# KiCad board ETH1CLCR2.kicad_pcb (continued)
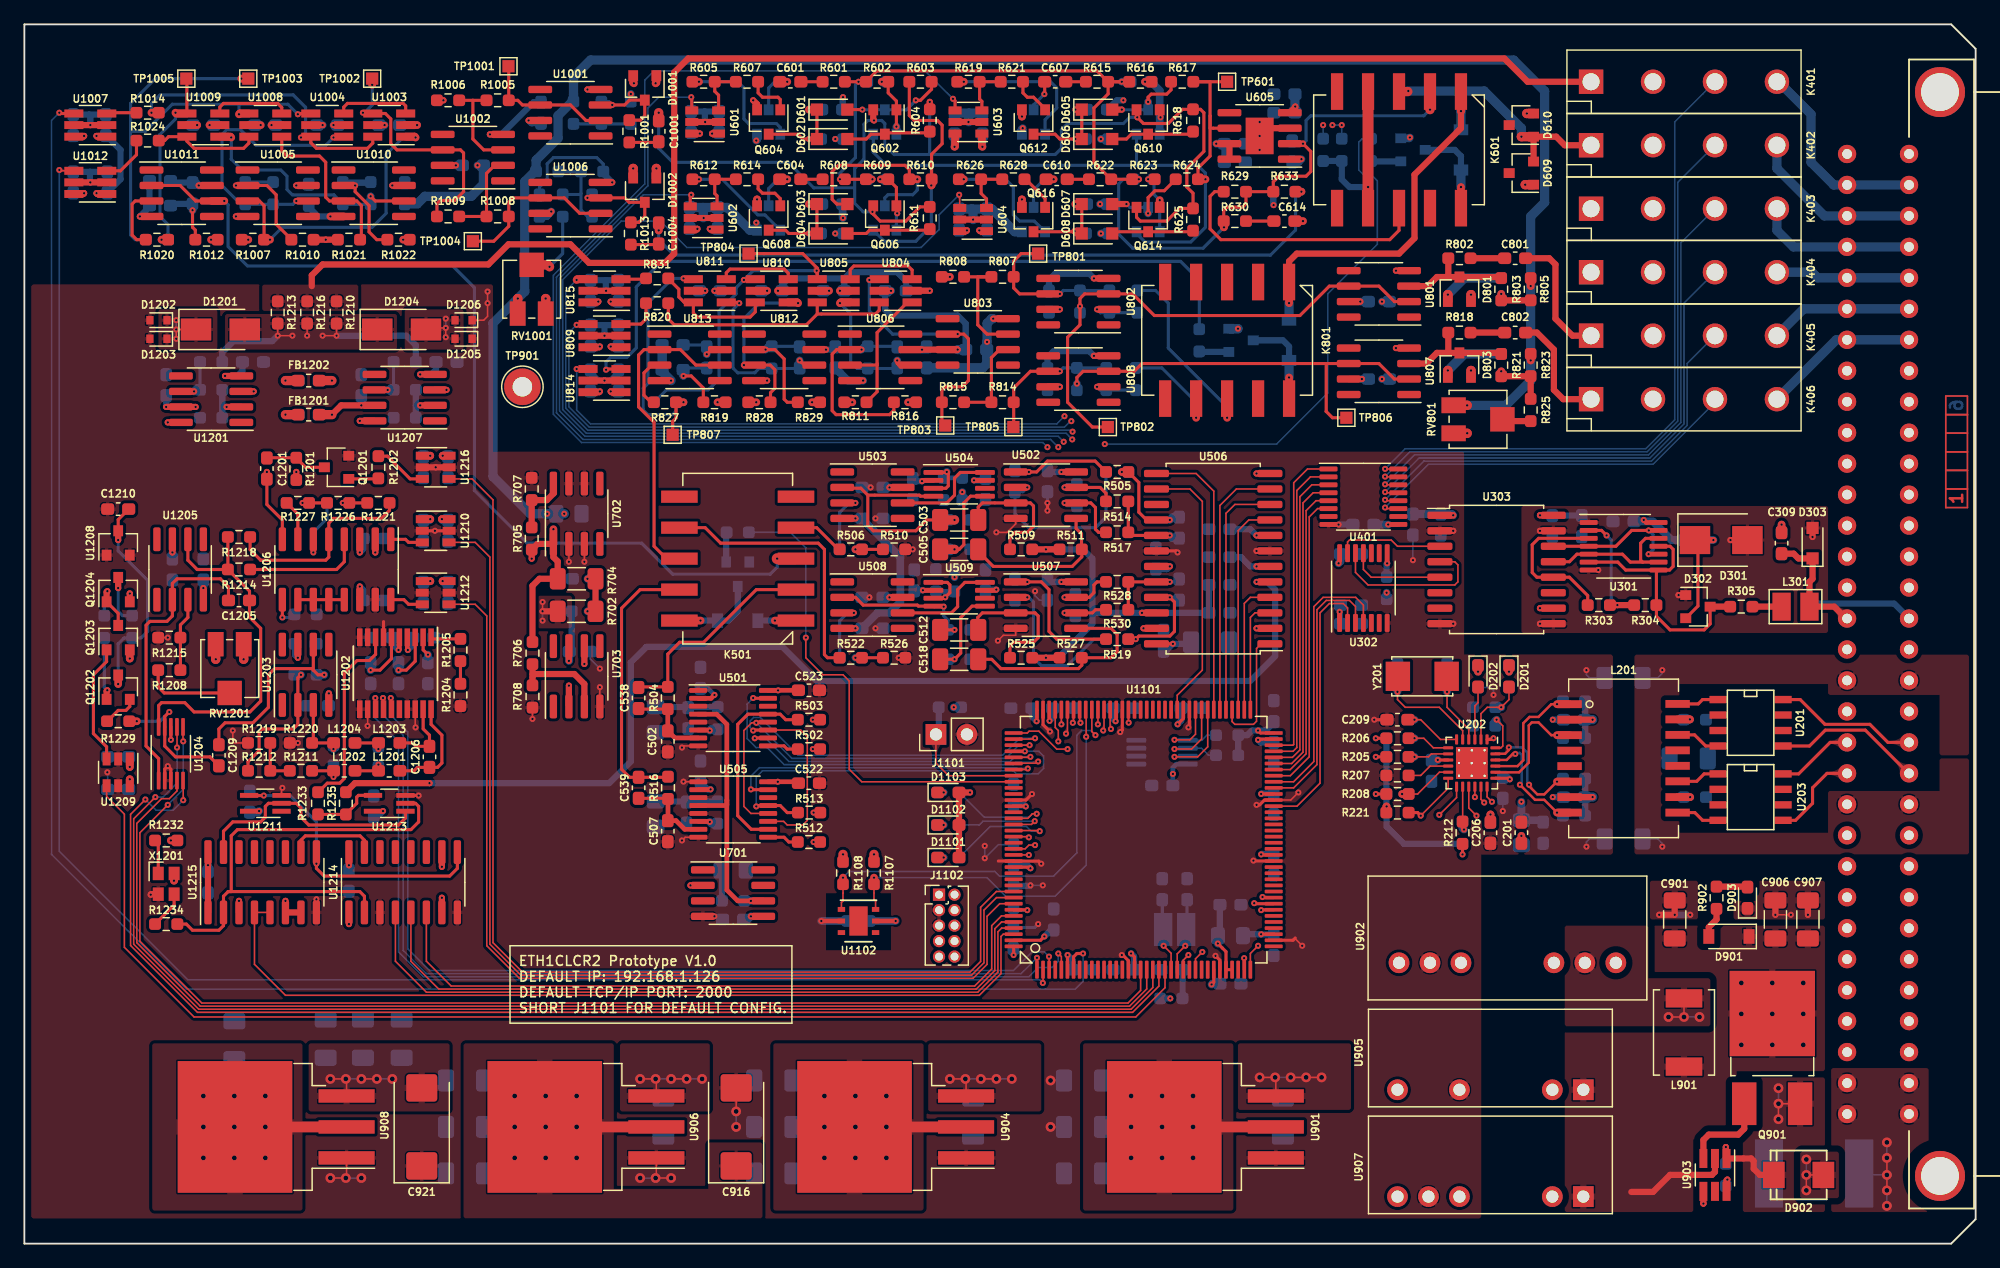
[diagram p0: board, top side]
## Routing (per net, layer and track width the routed paths; a pad name or vN(x,y) marks a point on that pad's centre or on a via; arc(x,y) is an arc through that point) (continued)
/Ethernet/RMII_MDC: length 47.7
  Top w0.127: v1(96.59,23.92) 96.03,23.36 U1101.27 ; v1(116.02,35.17) 117.44,36.58 U202.13
  In3.Cu w0.127: v1(116.02,35.17) 116.02,34.63 115.41,34.02 115.35,34 115.29,34 115.23,34.02 115.17,34.04 115.13,34.08 114.82,34.39 114.77,34.43 114.71,34.45 114.65,34.47 114.59,34.47 114.53,34.45 114.48,34.43 114.43,34.39 114.39,34.34 114.36,34.29 114.35,34.23 114.35,34.16 114.36,34.1 114.39,34.05 114.43,34 115.15,33.28 115.19,33.23 115.21,33.18 115.23,33.12 115.23,33.05 115.21,32.99 115.19,32.94 115.15,32.89 115.1,32.85 115.05,32.83 114.99,32.81 114.92,32.81 114.86,32.83 114.81,32.85 114.76,32.89 114.41,33.25 114.37,33.27 114.33,33.29 114.29,33.3 114.25,33.3 114.21,33.29 114.17,33.27 114.13,33.25 114.02,33.13 113.99,33.09 113.97,33.06 113.96,33.01 113.96,32.97 113.97,32.93 113.99,32.89 114.02,32.86 114.37,32.5 114.41,32.45 114.44,32.4 114.45,32.34 114.45,32.28 114.44,32.22 114.41,32.16 114.37,32.11 114.32,32.08 114.27,32.05 114.21,32.03 114.15,32.03 114.09,32.05 114.03,32.08 113.98,32.11 113.63,32.47 113.59,32.49 113.56,32.51 113.51,32.52 113.47,32.52 113.43,32.51 113.39,32.49 113.36,32.47 113.24,32.35 113.21,32.32 113.19,32.28 113.18,32.24 113.18,32.19 113.19,32.15 113.21,32.11 113.24,32.08 113.59,31.72 113.63,31.68 113.66,31.62 113.67,31.56 113.67,31.5 113.66,31.44 113.63,31.38 113.59,31.34 113.55,31.3 113.49,31.27 113.43,31.26 113.37,31.26 113.31,31.27 113.25,31.3 113.2,31.34 112.85,31.69 112.82,31.72 112.78,31.74 112.74,31.74 112.69,31.74 112.65,31.74 112.61,31.72 112.58,31.69 112.46,31.57 112.43,31.54 112.42,31.5 112.41,31.46 112.41,31.42 112.42,31.37 112.43,31.33 112.46,31.3 112.82,30.95 112.85,30.9 112.88,30.84 112.89,30.78 112.89,30.72 112.88,30.66 112.85,30.61 112.82,30.56 112.77,30.52 112.71,30.49 112.65,30.48 112.59,30.48 112.53,30.49 112.47,30.52 112.43,30.56 112.05,30.93 112.02,30.96 111.97,30.98 111.93,30.99 111.88,30.99 111.83,30.98 111.79,30.96 111.75,30.93 111.67,30.85 111.64,30.81 111.61,30.77 111.6,30.72 111.6,30.67 111.61,30.62 111.64,30.58 111.67,30.54 112.04,30.17 112.08,30.12 112.1,30.07 112.12,30.01 112.12,29.94 112.1,29.88 112.08,29.83 112.04,29.78 111.99,29.74 111.93,29.71 111.87,29.7 111.81,29.7 111.75,29.71 111.7,29.74 111.65,29.78 111.28,30.15 111.24,30.18 111.2,30.2 111.15,30.21 111.1,30.21 111.05,30.2 111.01,30.18 110.97,30.15 110.89,30.07 110.86,30.03 110.84,29.99 110.83,29.94 110.83,29.89 110.84,29.84 110.86,29.8 110.89,29.76 111.26,29.39 111.3,29.34 111.33,29.29 111.34,29.23 111.34,29.17 111.33,29.11 111.3,29.05 111.26,29 111.21,28.96 111.16,28.94 111.1,28.92 111.03,28.92 110.97,28.94 110.92,28.96 110.87,29 110.52,29.36 110.48,29.38 110.44,29.4 110.4,29.41 110.36,29.41 110.32,29.4 110.28,29.38 110.25,29.36 110.13,29.24 110.1,29.21 110.08,29.17 110.07,29.12 110.07,29.08 110.08,29.04 110.1,29 110.13,28.97 110.48,28.61 110.52,28.57 110.55,28.51 110.56,28.45 110.56,28.39 110.55,28.33 110.52,28.27 110.48,28.22 110.43,28.19 110.38,28.16 110.32,28.15 110.26,28.15 110.2,28.16 110.14,28.19 110.09,28.22 109.74,28.58 109.71,28.61 109.67,28.62 109.62,28.63 109.58,28.63 109.54,28.62 109.5,28.61 109.47,28.58 109.35,28.46 109.32,28.43 109.3,28.39 109.3,28.35 109.3,28.3 109.3,28.26 109.32,28.22 109.35,28.19 109.7,27.84 109.74,27.79 109.77,27.73 109.78,27.67 109.78,27.61 109.77,27.55 109.74,27.49 109.7,27.45 109.66,27.41 109.6,27.38 109.54,27.37 109.48,27.37 109.42,27.38 109.36,27.41 109.32,27.45 108.96,27.8 108.93,27.83 108.89,27.85 108.85,27.86 108.8,27.86 108.76,27.85 108.72,27.83 108.69,27.8 108.57,27.68 108.55,27.65 108.53,27.61 108.52,27.57 108.52,27.53 108.53,27.48 108.55,27.45 108.57,27.41 108.93,27.06 108.96,27.01 108.99,26.95 109.01,26.89 109.01,26.83 108.99,26.77 108.96,26.72 108.93,26.67 108.88,26.63 108.82,26.6 108.76,26.59 108.7,26.59 108.64,26.6 108.59,26.63 108.54,26.67 108.13,27.08 108.08,27.11 108.03,27.14 107.97,27.15 107.91,27.15 107.85,27.14 107.8,27.11 107.75,27.08 107.74,27.06 107.7,27.02 107.68,26.96 107.67,26.91 107.67,26.85 107.68,26.79 107.7,26.73 107.74,26.69 108.15,26.28 108.19,26.23 108.21,26.18 108.23,26.12 108.23,26.05 108.21,25.99 108.19,25.94 108.15,25.89 108.1,25.85 108.05,25.83 107.99,25.81 107.92,25.81 107.86,25.83 107.81,25.85 107.76,25.89 107.41,26.25 107.37,26.27 107.33,26.29 107.29,26.3 107.25,26.3 107.21,26.29 107.17,26.27 107.13,26.25 107.02,26.13 106.99,26.09 106.97,26.06 106.96,26.01 106.96,25.97 106.97,25.93 106.99,25.89 107.02,25.86 107.37,25.5 107.41,25.45 107.44,25.4 107.45,25.34 107.45,25.28 107.44,25.22 107.41,25.16 107.37,25.11 107.32,25.07 107.27,25.05 107.21,25.03 107.15,25.03 107.09,25.05 107.03,25.07 106.98,25.11 106.96,25.14 106.91,25.18 106.85,25.2 106.79,25.22 106.73,25.22 106.67,25.2 106.62,25.18 106.57,25.14 105.35,23.92 100.91,23.92 100.27,24.56 98.62,24.56 98.24,24.17 96.84,24.17 v1(96.59,23.92)
/Ethernet/RMII_MDIO: length 52.7
  Top w0.127: U1101.36 100.53,23.8 v1(101.16,24.43) ; v1(114.5,35.1) 116.75,37.35 U202.12
  Top w0.254: v1(114.5,35.1) 114.24,35.35 R221.2
  In3.Cu w0.127: v1(114.5,35.1) 114.5,34.97 113.86,34.34 113.82,34.3 113.78,34.28 113.73,34.27 113.68,34.27 113.63,34.28 113.58,34.3 113.54,34.34 113.45,34.43 113.41,34.46 113.37,34.48 113.32,34.49 113.27,34.49 113.22,34.48 113.17,34.46 113.13,34.43 113.1,34.39 113.08,34.34 113.07,34.29 113.07,34.24 113.08,34.2 113.1,34.15 113.13,34.11 113.71,33.54 113.74,33.5 113.76,33.45 113.77,33.4 113.77,33.35 113.76,33.3 113.74,33.26 113.71,33.22 113.67,33.19 113.62,33.16 113.57,33.15 113.52,33.15 113.47,33.16 113.43,33.19 113.39,33.22 112.82,33.79 112.78,33.82 112.73,33.85 112.68,33.86 112.63,33.86 112.58,33.85 112.54,33.82 112.5,33.79 112.47,33.75 112.44,33.71 112.43,33.66 112.43,33.61 112.44,33.56 112.47,33.51 112.5,33.47 113.07,32.9 113.1,32.86 113.12,32.82 113.14,32.77 113.14,32.72 113.12,32.67 113.1,32.62 113.07,32.58 113.03,32.55 112.99,32.53 112.94,32.52 112.89,32.52 112.84,32.53 112.79,32.55 112.75,32.58 112.18,33.16 112.14,33.19 112.09,33.21 112.05,33.22 112,33.22 111.95,33.21 111.9,33.19 111.86,33.16 111.83,33.12 111.81,33.07 111.8,33.02 111.8,32.97 111.81,32.92 111.83,32.88 111.86,32.84 112.44,32.26 112.47,32.22 112.49,32.18 112.5,32.13 112.5,32.08 112.49,32.03 112.47,31.98 112.44,31.95 112.4,31.91 112.35,31.89 112.3,31.88 112.25,31.88 112.2,31.89 112.16,31.91 112.12,31.95 111.54,32.52 111.5,32.55 111.46,32.57 111.41,32.58 111.36,32.58 111.31,32.57 111.26,32.55 111.22,32.52 111.19,32.48 111.17,32.43 111.16,32.39 111.16,32.34 111.17,32.29 111.19,32.24 111.22,32.2 111.8,31.63 111.83,31.59 111.85,31.54 111.86,31.49 111.86,31.44 111.85,31.39 111.83,31.35 111.8,31.31 111.76,31.28 111.71,31.26 111.66,31.24 111.61,31.24 111.57,31.26 111.52,31.28 111.48,31.31 110.91,31.88 110.87,31.91 110.82,31.94 110.77,31.95 110.72,31.95 110.67,31.94 110.63,31.91 110.59,31.88 110.56,31.84 110.54,31.8 110.52,31.75 110.52,31.7 110.54,31.65 110.56,31.6 110.59,31.56 111.16,30.99 111.19,30.95 111.22,30.91 111.23,30.86 111.23,30.81 111.22,30.76 111.19,30.71 111.16,30.67 111.12,30.64 111.08,30.62 111.03,30.61 110.98,30.61 110.93,30.62 110.88,30.64 110.84,30.67 110.27,31.25 110.23,31.28 110.19,31.3 110.14,31.31 110.09,31.31 110.04,31.3 109.99,31.28 109.95,31.25 109.92,31.21 109.9,31.16 109.89,31.11 109.89,31.06 109.9,31.01 109.92,30.97 109.95,30.93 110.53,30.35 110.56,30.32 110.58,30.27 110.59,30.22 110.59,30.17 110.58,30.12 110.56,30.08 110.53,30.04 110.49,30 110.44,29.98 110.39,29.97 110.34,29.97 110.29,29.98 110.25,30 110.21,30.04 109.63,30.61 109.59,30.64 109.55,30.66 109.5,30.67 109.45,30.67 109.4,30.66 109.36,30.64 109.32,30.61 109.28,30.57 109.26,30.53 109.25,30.48 109.25,30.43 109.26,30.38 109.28,30.33 109.32,30.29 109.89,29.72 109.92,29.68 109.94,29.63 109.95,29.58 109.95,29.53 109.94,29.48 109.92,29.44 109.89,29.4 109.85,29.37 109.8,29.35 109.76,29.34 109.71,29.34 109.66,29.35 109.61,29.37 109.57,29.4 109,29.97 108.96,30.01 108.91,30.03 108.86,30.04 108.81,30.04 108.76,30.03 108.72,30.01 108.68,29.97 108.65,29.93 108.63,29.89 108.61,29.84 108.61,29.79 108.63,29.74 108.65,29.69 108.68,29.66 109.25,29.08 109.28,29.04 109.31,29 109.32,28.95 109.32,28.9 109.31,28.85 109.28,28.8 109.25,28.76 109.21,28.73 109.17,28.71 109.12,28.7 109.07,28.7 109.02,28.71 108.97,28.73 108.94,28.76 108.36,29.34 108.32,29.37 108.28,29.39 108.23,29.4 108.18,29.4 108.13,29.39 108.08,29.37 108.04,29.34 108.01,29.3 107.99,29.25 107.98,29.2 107.98,29.15 107.99,29.1 108.01,29.06 108.04,29.02 108.62,28.45 108.65,28.41 108.67,28.36 108.68,28.31 108.68,28.26 108.67,28.21 108.65,28.17 108.62,28.13 108.58,28.1 108.53,28.07 108.48,28.06 108.43,28.06 108.38,28.07 108.34,28.1 108.3,28.13 107.72,28.7 107.69,28.73 107.64,28.75 107.59,28.77 107.54,28.77 107.49,28.75 107.45,28.73 107.41,28.7 107.38,28.66 107.35,28.62 107.34,28.57 107.34,28.52 107.35,28.47 107.38,28.42 107.41,28.38 107.98,27.81 108.01,27.77 108.03,27.72 108.04,27.67 108.04,27.62 108.03,27.58 108.01,27.53 107.98,27.49 107.94,27.46 107.9,27.44 107.85,27.43 107.8,27.43 107.75,27.44 107.7,27.46 107.66,27.49 107.09,28.06 107.05,28.1 107,28.12 106.95,28.13 106.9,28.13 106.85,28.12 106.81,28.1 106.77,28.06 106.74,28.03 106.72,27.98 106.71,27.93 106.71,27.88 106.72,27.83 106.74,27.79 106.77,27.75 107.34,27.17 107.38,27.13 107.4,27.09 107.41,27.04 107.41,26.99 107.4,26.94 107.38,26.89 107.34,26.85 107.3,26.82 107.26,26.8 107.21,26.79 107.16,26.79 107.11,26.8 107.07,26.82 107.03,26.85 106.45,27.43 106.41,27.46 106.37,27.48 106.32,27.49 106.27,27.49 106.22,27.48 106.17,27.46 106.13,27.43 106.1,27.39 106.08,27.34 106.07,27.29 106.07,27.24 106.08,27.19 106.1,27.15 106.13,27.11 106.71,26.54 106.74,26.5 106.76,26.45 106.77,26.4 106.77,26.35 106.76,26.3 106.74,26.26 106.71,26.22 106.67,26.19 106.62,26.16 106.57,26.15 106.52,26.15 106.47,26.16 106.43,26.19 106.39,26.22 105.82,26.79 105.78,26.82 105.73,26.85 105.68,26.86 105.63,26.86 105.58,26.85 105.54,26.82 105.5,26.79 105.47,26.75 105.44,26.71 105.43,26.66 105.43,26.61 105.44,26.56 105.47,26.51 105.5,26.47 106.07,25.9 106.1,25.86 106.12,25.81 106.14,25.77 106.14,25.72 106.12,25.67 106.1,25.62 106.07,25.58 106.03,25.55 105.99,25.53 105.94,25.52 105.89,25.52 105.84,25.53 105.79,25.55 105.75,25.58 105.59,25.74 105.55,25.78 105.51,25.8 105.46,25.81 105.41,25.81 105.36,25.8 105.31,25.78 105.27,25.74 104.34,24.81 101.54,24.81 v1(101.16,24.43)
/Ethernet/RMII_RXD0: length 47.6
  Top w0.254: v1(100.85,27.92) 100.89,27.88 U1101.44 ; R205.2 v1(110.81,39.92)
  In3.Cu w0.127: v1(100.85,27.92) 101.86,27.92 102.18,28.24 102.18,29.57 102.56,29.95 102.6,29.99 102.65,30.01 102.71,30.03 102.76,30.03 102.82,30.01 102.87,29.99 102.91,29.95 103.26,29.61 103.3,29.57 103.35,29.55 103.41,29.54 103.46,29.54 103.52,29.55 103.57,29.57 103.61,29.61 103.65,29.65 103.67,29.7 103.68,29.76 103.68,29.81 103.67,29.87 103.65,29.92 103.61,29.96 102.57,31.01 102.53,31.05 102.51,31.1 102.5,31.16 102.5,31.21 102.51,31.27 102.53,31.32 102.57,31.36 102.61,31.4 102.66,31.42 102.72,31.43 102.77,31.43 102.83,31.42 102.88,31.4 102.92,31.36 103.97,30.32 104.01,30.28 104.06,30.26 104.11,30.24 104.17,30.24 104.23,30.26 104.28,30.28 104.32,30.32 104.35,30.36 104.38,30.41 104.39,30.47 104.39,30.52 104.38,30.58 104.35,30.63 104.32,30.67 103.28,31.71 103.24,31.76 103.22,31.81 103.2,31.86 103.2,31.92 103.22,31.97 103.24,32.02 103.28,32.07 103.32,32.1 103.37,32.13 103.42,32.14 103.48,32.14 103.53,32.13 103.59,32.1 103.63,32.07 104.32,31.37 104.37,31.34 104.42,31.32 104.47,31.3 104.52,31.3 104.58,31.32 104.63,31.34 104.67,31.37 104.68,31.38 104.71,31.42 104.74,31.47 104.75,31.53 104.75,31.58 104.74,31.63 104.71,31.68 104.68,31.73 103.98,32.42 103.95,32.46 103.92,32.52 103.91,32.57 103.91,32.63 103.92,32.68 103.95,32.73 103.98,32.77 104.03,32.81 104.08,32.83 104.13,32.85 104.19,32.85 104.24,32.83 104.29,32.81 104.34,32.77 105.06,32.05 105.11,32.01 105.16,31.99 105.21,31.98 105.27,31.98 105.32,31.99 105.37,32.01 105.42,32.05 105.45,32.09 105.47,32.14 105.49,32.2 105.49,32.25 105.47,32.31 105.45,32.36 105.42,32.4 104.69,33.13 104.65,33.17 104.63,33.22 104.62,33.28 104.62,33.33 104.63,33.39 104.65,33.44 104.69,33.48 104.73,33.52 104.78,33.54 104.84,33.55 104.89,33.55 104.95,33.54 105,33.52 105.04,33.48 105.77,32.76 105.81,32.72 105.86,32.7 105.92,32.68 105.97,32.68 106.03,32.7 106.08,32.72 106.12,32.76 106.16,32.8 106.18,32.85 106.19,32.9 106.19,32.96 106.18,33.02 106.16,33.07 106.12,33.11 105.4,33.84 105.36,33.88 105.34,33.93 105.33,33.98 105.33,34.04 105.34,34.09 105.36,34.15 105.4,34.19 105.44,34.22 105.49,34.25 105.55,34.26 105.6,34.26 105.66,34.25 105.71,34.22 105.75,34.19 106.44,33.49 106.49,33.46 106.54,33.44 106.59,33.42 106.64,33.42 106.7,33.44 106.75,33.46 106.79,33.49 106.8,33.5 106.83,33.55 106.86,33.59 106.87,33.65 106.87,33.7 106.86,33.76 106.83,33.8 106.8,33.85 106.1,34.54 106.07,34.59 106.04,34.64 106.03,34.69 106.03,34.75 106.04,34.8 106.07,34.85 106.1,34.9 106.15,34.93 106.2,34.96 106.25,34.97 106.31,34.97 106.36,34.96 106.41,34.93 106.46,34.9 107.15,34.2 107.19,34.17 107.24,34.14 107.3,34.13 107.35,34.13 107.41,34.14 107.45,34.17 107.5,34.2 107.51,34.21 107.54,34.25 107.56,34.3 107.58,34.35 107.58,34.41 107.56,34.46 107.54,34.51 107.51,34.55 106.81,35.25 106.78,35.29 106.75,35.34 106.74,35.4 106.74,35.45 106.75,35.51 106.78,35.56 106.81,35.6 106.85,35.64 106.91,35.66 106.96,35.67 107.02,35.67 107.07,35.66 107.12,35.64 107.16,35.6 107.89,34.88 107.93,34.84 107.98,34.82 108.04,34.81 108.1,34.81 108.15,34.82 108.2,34.84 108.24,34.88 108.28,34.92 108.3,34.97 108.32,35.03 108.32,35.08 108.3,35.14 108.28,35.19 108.24,35.23 107.52,35.96 107.48,36 107.46,36.05 107.45,36.11 107.45,36.16 107.46,36.22 107.48,36.27 107.52,36.31 107.56,36.35 107.61,36.37 107.67,36.38 107.72,36.38 107.78,36.37 107.83,36.35 107.87,36.31 108.6,35.58 108.64,35.55 108.69,35.53 108.75,35.51 108.8,35.51 108.86,35.53 108.91,35.55 108.95,35.58 108.99,35.63 109.01,35.68 109.02,35.73 109.02,35.79 109.01,35.84 108.99,35.89 108.95,35.94 108.23,36.66 108.19,36.71 108.17,36.76 108.15,36.81 108.15,36.87 108.17,36.92 108.19,36.97 108.23,37.02 108.27,37.05 108.32,37.08 108.37,37.09 108.43,37.09 108.48,37.08 108.53,37.05 108.58,37.02 109.62,35.97 109.67,35.94 109.72,35.91 109.77,35.9 109.83,35.9 109.88,35.91 109.93,35.94 109.98,35.97 110.01,36.02 110.04,36.07 110.05,36.12 110.05,36.18 110.04,36.23 110.01,36.28 109.98,36.33 108.93,37.37 108.9,37.41 108.87,37.47 108.86,37.52 108.86,37.58 108.87,37.63 108.9,37.68 108.93,37.72 108.98,37.76 109.03,37.78 109.08,37.8 109.14,37.8 109.19,37.78 109.24,37.76 109.29,37.72 109.63,37.38 109.67,37.34 109.73,37.32 109.78,37.31 109.84,37.31 109.89,37.32 109.94,37.34 109.98,37.38 110.81,38.21 v1(110.81,39.92)
/Ethernet/RMII_RXD1: length 48.4
  Top w0.254: R206.2 v1(110.81,41.45) ; U1101.45 101.57,28.38 v1(101.52,28.43)
  In3.Cu w0.127: v1(110.81,41.45) 109.48,40.11 109.48,38.87 109.24,38.64 109.2,38.6 109.15,38.58 109.1,38.57 109.04,38.57 108.99,38.58 108.94,38.6 108.89,38.64 108.18,39.34 108.14,39.38 108.09,39.4 108.04,39.42 107.98,39.42 107.92,39.4 107.87,39.38 107.83,39.34 107.8,39.3 107.77,39.25 107.76,39.19 107.76,39.14 107.77,39.08 107.8,39.03 107.83,38.99 108.77,38.05 108.78,38.04 108.79,38.03 108.79,38.01 108.79,37.99 108.79,37.98 108.78,37.96 108.77,37.95 108.52,37.7 108.51,37.69 108.49,37.68 108.48,37.68 108.46,37.68 108.44,37.68 108.43,37.69 108.41,37.7 107.48,38.64 107.43,38.67 107.38,38.7 107.33,38.71 107.27,38.71 107.22,38.7 107.17,38.67 107.12,38.64 107.09,38.59 107.06,38.54 107.05,38.49 107.05,38.43 107.06,38.38 107.09,38.33 107.12,38.28 108.06,37.35 108.07,37.33 108.08,37.32 108.08,37.3 108.08,37.28 108.08,37.27 108.07,37.25 108.06,37.24 107.81,36.99 107.8,36.98 107.78,36.97 107.77,36.97 107.75,36.97 107.74,36.97 107.72,36.98 107.71,36.99 106.77,37.93 106.73,37.96 106.68,37.99 106.62,38 106.57,38 106.51,37.99 106.46,37.96 106.42,37.93 106.38,37.89 106.36,37.84 106.34,37.78 106.34,37.72 106.36,37.67 106.38,37.62 106.42,37.58 107.35,36.64 107.36,36.63 107.37,36.61 107.37,36.59 107.37,36.58 107.37,36.56 107.36,36.55 107.35,36.53 107.11,36.29 107.09,36.28 107.08,36.27 107.06,36.26 107.04,36.26 107.03,36.27 107.01,36.28 107,36.29 106.06,37.22 106.02,37.26 105.97,37.28 105.91,37.29 105.86,37.29 105.8,37.28 105.75,37.26 105.71,37.22 105.67,37.18 105.65,37.13 105.64,37.07 105.64,37.02 105.65,36.96 105.67,36.91 105.71,36.87 106.65,35.93 106.66,35.92 106.66,35.9 106.67,35.89 106.67,35.87 106.66,35.85 106.66,35.84 106.65,35.83 106.4,35.58 106.39,35.57 106.37,35.56 106.35,35.56 106.34,35.56 106.32,35.56 106.31,35.57 106.29,35.58 105.36,36.52 105.31,36.55 105.26,36.57 105.21,36.59 105.15,36.59 105.1,36.57 105.05,36.55 105,36.52 104.97,36.47 104.94,36.42 104.93,36.37 104.93,36.31 104.94,36.26 104.97,36.21 105,36.16 105.94,35.22 105.95,35.21 105.96,35.2 105.96,35.18 105.96,35.16 105.96,35.15 105.95,35.13 105.94,35.12 105.69,34.87 105.68,34.86 105.66,34.85 105.65,34.85 105.63,34.85 105.61,34.85 105.6,34.86 105.59,34.87 104.65,35.81 104.6,35.84 104.55,35.87 104.5,35.88 104.44,35.88 104.39,35.87 104.34,35.84 104.3,35.81 104.26,35.76 104.24,35.71 104.22,35.66 104.22,35.6 104.24,35.55 104.26,35.5 104.3,35.45 105.23,34.52 105.24,34.5 105.25,34.49 105.25,34.47 105.25,34.46 105.25,34.44 105.24,34.42 105.23,34.41 104.98,34.16 104.97,34.15 104.96,34.15 104.94,34.14 104.92,34.14 104.91,34.15 104.89,34.15 104.88,34.16 103.94,35.1 103.9,35.14 103.85,35.16 103.79,35.17 103.74,35.17 103.68,35.16 103.63,35.14 103.59,35.1 103.55,35.06 103.53,35.01 103.52,34.95 103.52,34.9 103.53,34.84 103.55,34.79 103.59,34.75 104.52,33.81 104.54,33.8 104.54,33.78 104.55,33.77 104.55,33.75 104.54,33.73 104.54,33.72 104.52,33.7 104.28,33.46 104.26,33.45 104.25,33.44 104.23,33.44 104.22,33.44 104.2,33.44 104.18,33.45 104.17,33.46 103.23,34.39 103.19,34.43 103.14,34.45 103.09,34.47 103.03,34.47 102.98,34.45 102.92,34.43 102.88,34.39 102.85,34.35 102.82,34.3 102.81,34.25 102.81,34.19 102.82,34.13 102.85,34.08 102.88,34.04 103.82,33.1 103.83,33.09 103.84,33.08 103.84,33.06 103.84,33.04 103.84,33.03 103.83,33.01 103.82,33 103.57,32.75 103.56,32.74 103.54,32.73 103.53,32.73 103.51,32.73 103.49,32.73 103.48,32.74 103.46,32.75 102.53,33.69 102.48,33.72 102.43,33.75 102.38,33.76 102.32,33.76 102.27,33.75 102.22,33.72 102.17,33.69 102.14,33.64 102.11,33.59 102.1,33.54 102.1,33.48 102.11,33.43 102.14,33.38 102.17,33.33 103.11,32.4 103.12,32.38 103.13,32.37 103.13,32.35 103.13,32.34 103.13,32.32 103.12,32.3 103.11,32.29 102.86,32.04 102.85,32.03 102.83,32.03 102.82,32.02 102.8,32.02 102.79,32.03 102.77,32.03 102.76,32.04 101.82,32.98 101.78,33.01 101.73,33.04 101.67,33.05 101.62,33.05 101.56,33.04 101.51,33.01 101.47,32.98 101.43,32.94 101.41,32.89 101.4,32.83 101.4,32.78 101.41,32.72 101.43,32.67 101.47,32.63 102.17,31.92 102.21,31.88 102.23,31.82 102.25,31.77 102.25,31.71 102.23,31.66 102.21,31.61 102.17,31.57 101.52,30.92 v1(101.52,28.43)
/Ethernet/RMII_TXD0: length 47.5
  Top w0.127: U1101.128 82.06,32.38 82.37,32.69 v1(82.88,32.69) ; U202.17 119.44,36.44 v1(119.71,36.17)
  In3.Cu w0.127: v1(119.71,36.17) 119.39,35.86 113.35,35.86 103.83,26.33 97.23,26.33 97.2,26.34 97.17,26.35 97.15,26.36 97.13,26.38 97.11,26.41 97.1,26.43 97.1,26.49 97.09,26.51 97.07,26.54 97.05,26.56 97.03,26.57 97,26.58 96.98,26.58 96.63,26.58 96.6,26.58 96.57,26.57 96.55,26.56 96.53,26.54 96.51,26.51 96.5,26.49 96.5,26.46 96.5,26.21 96.5,26.18 96.49,26.16 96.47,26.13 96.45,26.11 96.43,26.1 96.4,26.09 96.38,26.08 96.03,26.08 96,26.09 95.97,26.1 95.95,26.11 95.93,26.13 95.91,26.16 95.9,26.18 95.9,26.24 95.89,26.26 95.87,26.29 95.85,26.31 95.83,26.32 95.8,26.33 95.78,26.33 91.51,26.33 85.16,32.69 v1(82.88,32.69)
/Ethernet/RMII_TXD1: length 47.7
  Top w0.127: U202.18 119.94,36.64 v1(120.34,36.24) ; U1101.129 82.36,31.88 v1(82.37,31.88)
  In3.Cu w0.127: v1(82.37,31.88) 85.08,31.88 91.13,25.83 104.08,25.83 113.86,35.61 120.06,35.61 120.34,35.89 v1(120.34,36.24)
/Ethernet/RMII_TXEN: length 47.1
  Top w0.127: v1(118.94,36.62) 118.94,36.63 U202.16 ; v1(82.37,33.32) 82.31,33.38 U1101.126
  In3.Cu w0.127: v1(82.37,33.32) 85.29,33.32 87.45,31.16 87.82,31.16 88.25,31.58 88.33,31.62 88.42,31.64 88.52,31.64 88.61,31.62 88.7,31.58 88.77,31.52 88.83,31.45 88.87,31.36 88.89,31.27 88.89,31.17 88.87,31.08 88.83,31 88.77,30.92 88.53,30.68 88.47,30.6 88.43,30.52 88.41,30.43 88.41,30.33 88.43,30.24 88.47,30.15 88.53,30.08 91.76,26.84 103.7,26.84 113.1,36.24 118.56,36.24 v1(118.94,36.62)
/I/V Converter/IRR0: length 69.7
  Top w0.127: U1101.93 90.53,42.75 v1(90.55,42.73)
  In3.Cu w0.127: v1(88.59,65.58) 87.96,64.94 87.96,45.26 90.48,42.73 v1(90.55,42.73)
  Bottom w0.127: v1(88.59,65.58) 102.69,65.58 106.88,69.77 106.88,77.9 110.94,81.96 110.94,87.17 110.56,87.55 109.93,87.55 109.42,88.06 109.42,90.34 109.7,90.62 R635.2
/I/V Converter/IRR1: length 101.4
  Top w0.127: U1101.103 85.53,41.94 v1(85.41,41.83)
  Top w0.254: U601.4 54.72,93.98 v1(54.68,94.03)
  In3.Cu w0.127: v1(85.41,41.83) 85.47,41.89 85.47,50.28 84.59,51.17 84.59,63.73 84.78,63.93 v1(84.78,65.32)
  Bottom w0.127: v1(54.68,94.03) 52.01,94.03 51.12,93.14 51.12,86.77 43.63,79.27 43.63,68.14 45.81,65.96 84.15,65.96 v1(84.78,65.32)
/I/V Converter/IRR2: length 92.3
  Top w0.127: v1(85.97,42.72) 86.03,42.78 U1101.102
  Top w0.254: v1(54.68,86.03) 54.6,85.94 54.6,85.07
  In3.Cu w0.127: v1(85.22,65.77) 85.97,65.02 v1(85.97,42.72)
  Bottom w0.127: v1(54.68,86.03) 50.74,86.03 43.89,79.17 43.89,68.3 45.97,66.21 84.78,66.21 v1(85.22,65.77)
/I/V Converter/IRR3: length 124.1
  Top w0.127: v1(85.03,42.59) 85.03,42.59 U1101.104
  Top w0.254: U603.4 76.31,93.73 v1(76.14,93.9)
  In3.Cu w0.127: v1(83.89,65.32) 84.33,64.88 84.33,50.79 85.03,50.08 v1(85.03,42.59)
  Bottom w0.127: v1(76.14,93.9) 73.86,96.19 51.63,96.19 50.87,95.42 50.87,86.91 43.38,79.42 43.38,68.01 45.69,65.7 83.51,65.7 v1(83.89,65.32)
/I/V Converter/IRR4: length 117.1
  Top w0.127: v1(76.65,86.03) 76.69,85.98 U604.4 ; U1101.101 86.53,42.79 v1(86.6,42.72)
  In3.Cu w0.127: v1(85.92,65.96) 86.6,65.28 v1(86.6,42.72)
  Bottom w0.127: v1(76.65,86.03) 75,84.37 75,83.17 73.54,81.71 54.31,81.71 52.15,83.87 48.94,83.87 44.14,79.06 44.14,68.4 46.08,66.47 85.41,66.47 v1(85.92,65.96)
/MCU/EEPROM_SCL: length 8.6
  Top w0.127: v1(94.31,40.57) 95.71,40.57 96.53,41.39 U1101.81
  Bottom w0.127: R1110.2 97.1,40.05 96.52,40.63 U1103.6 94.37,40.63 v1(94.31,40.57)
/MCU/EEPROM_SDA: length 7.5
  Top w0.127: U1101.82 96.03,41.78 95.57,41.32 v1(94.31,41.32)
  Bottom w0.127: v1(94.31,41.32) 94.35,41.28 U1103.5 96.55,41.28 96.97,41.7 R1109.2
/MCU/EEPROM_WP: length 7.2
  Top w0.127: v1(94.31,39.92) 96.21,39.92 97.03,40.75 U1101.80
  Bottom w0.127: v1(94.31,39.92) 95.35,39.92 U1103.7
/MCU/LED_BLUE: length 9.3
  Top w0.127: v1(83.01,35.26) 82.66,35.26 82.28,34.88 U1101.123
  Bottom w0.127: v1(83.01,35.26) 82.66,35.26 82.38,34.98 78.7,34.98 R1103.1
/MCU/LED_GREEN: length 10
  Top w0.127: U1101.125 83.2,33.88 v1(83.26,33.83)
  Bottom w0.127: R1101.1 76.68,31.69 79.19,34.21 82.18,34.21 82.56,33.83 v1(83.26,33.83)
/MCU/LED_RED: length 8.1
  Top w0.127: v1(82.85,34.65) 82.58,34.38 U1101.124
  Bottom w0.127: v1(82.85,34.65) 78.62,34.65 78.3,34.34 R1102.1
/MCU/MCU_DEFAULT: length 11.5
  Top w0.127: J1101.1 74.75,39.42 75.78,38.38 U1101.116
  Bottom w0.508: J1101.1 74.98,42 R1106.1
/MCU/MCU_VDDA: length 6.2
  Top w0.254: v1(97.86,24.62) 98.53,23.95 U1101.32 U1101.33
  Bottom w0.508: C1122.1 98.03,25.42 FB1101.1
  Bottom w0.634: FB1101.1 97.87,24.62 v1(97.86,24.62)
/MCU/SENS_SCL: length 34.5
  Top w0.127: v1(87.07,41.58) 87.07,43.76 U1101.100 ; U1102.6 69.8,28.11 69.67,28.24 R1107.2
  Top w0.634: R1107.2 v1(69.67,30.02)
  Bottom w0.127: v1(87.07,41.58) 87.07,31.03 84.53,28.49 80.46,28.49 78.94,30.02 v1(69.67,30.02)
/MCU/SENS_SDA: length 36.7
  Top w0.127: U1101.99 87.53,42 v1(87.83,41.7) ; R1108.2 67.13,28.75 67.12,28.75 67.12,28.11 67,27.98 U1102.1
  Top w0.634: R1108.2 v1(67.13,30.02)
  Bottom w0.127: v1(87.83,41.7) 87.45,42.08 86.69,42.08 86.3,41.7 86.3,32.05 84.4,30.14 79.95,30.14 79.57,30.53 67.64,30.53 v1(67.13,30.02)
/MCU/TCK_SWCLK: length 22.1
  Top w0.127: v1(85.54,40.56) 84.65,40.56 83.18,42.03 82.39,42.03 82.24,41.88 U1101.109
  In3.Cu w0.127: v1(85.54,40.56) 77.29,32.3 77.29,28.37 J1102.4
/MCU/TMS_SWDIO: length 18.8
  Top w0.127: U1101.105 84.53,42.33 84.78,42.08 v1(84.78,41.19)
  In3.Cu w0.127: J1102.2 77.03,29.38 77.03,32.43 84.78,40.18 v1(84.78,41.19)
/MCU/TRIG_EN: length 22.5
  Top w0.127: U1101.60 104.36,35.88 106.24,37.77 106.24,51.73 107,52.5 108.15,52.5 108.5,52.15 U302.2
/MCU/TRIG_IN: length 22.8
  Top w0.127: U302.4 109.8,52.37 109.16,53 106.5,53 105.74,52.24 105.74,39.54 104.07,37.88 U1101.64
/MCU/TRIG_OUT: length 22.1
  Top w0.127: U302.3 109.15,52.26 108.66,52.75 106.75,52.75 105.99,51.99 105.99,39.29 104.08,37.38 U1101.63
/MCU/VDIFF0: length 74.8
  Top w0.127: U1101.96 89.03,42.28 v1(89.1,42.21)
  Top w0.254: v1(45.28,71.74) 45.29,71.73 U814.4
  In3.Cu w0.127: v1(85.29,67.86) 85.54,68.12 86.18,68.12 87.57,66.72 87.57,44.37 89.04,42.9 89.04,42.27 v1(89.1,42.21)
  Bottom w0.127: v1(45.28,71.74) 45.28,68.37 46.43,67.23 84.65,67.23 v1(85.29,67.86)
